# Altium PCB Control2.PcbDoc (part 1 of 2)
Units mil, origin at the board's own origin, x right, y up, seen from the top; angles counter-clockwise.
Board outline 2382.03 x 2197.03 mil, 2 copper layers (Top Layer, Bottom Layer); 85 components, 68 nets, 308 pads, 164 vias.
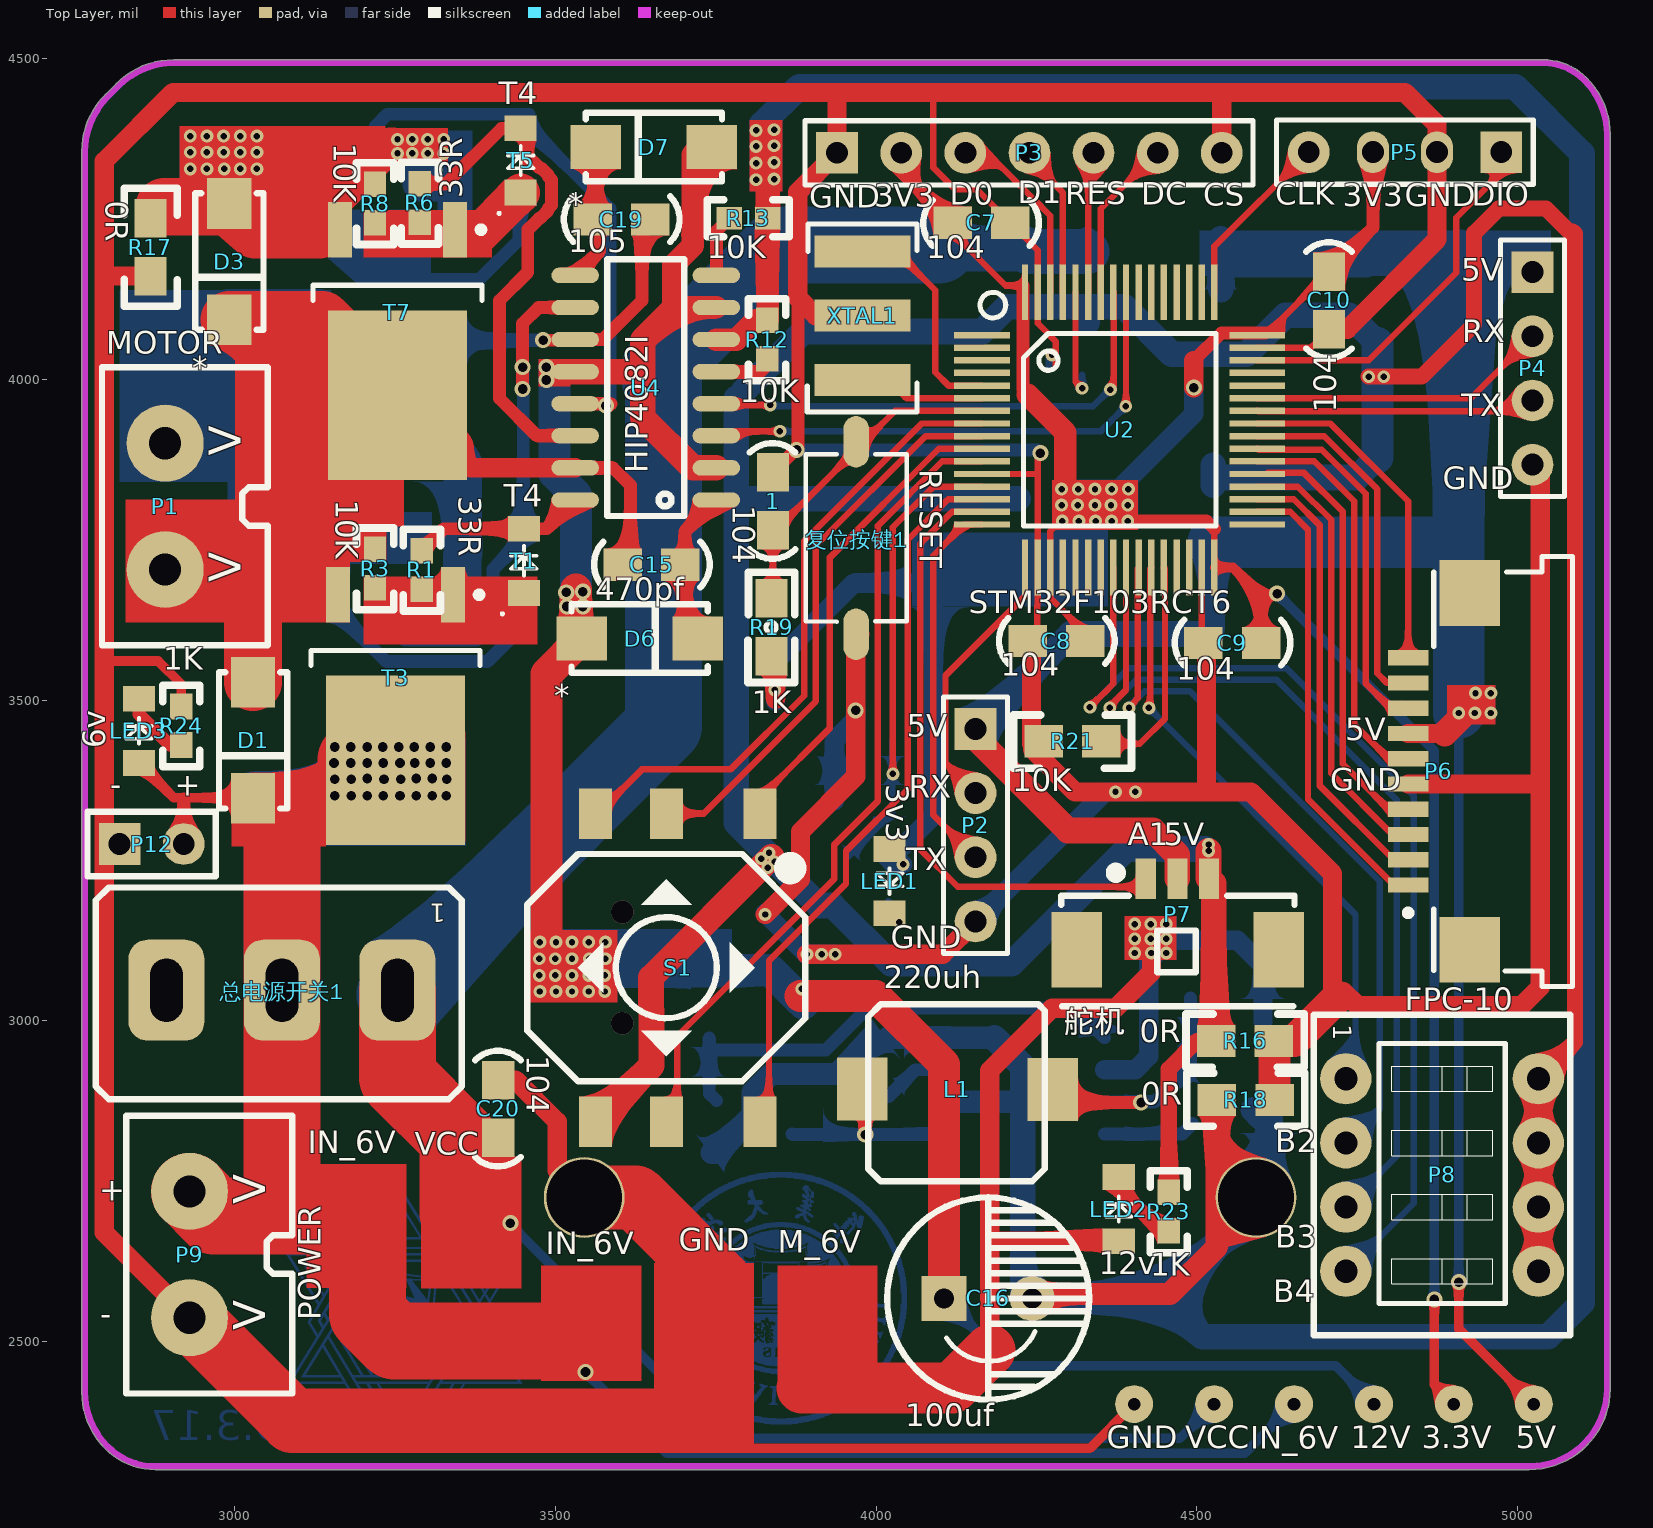
[diagram p0: Top Layer view]
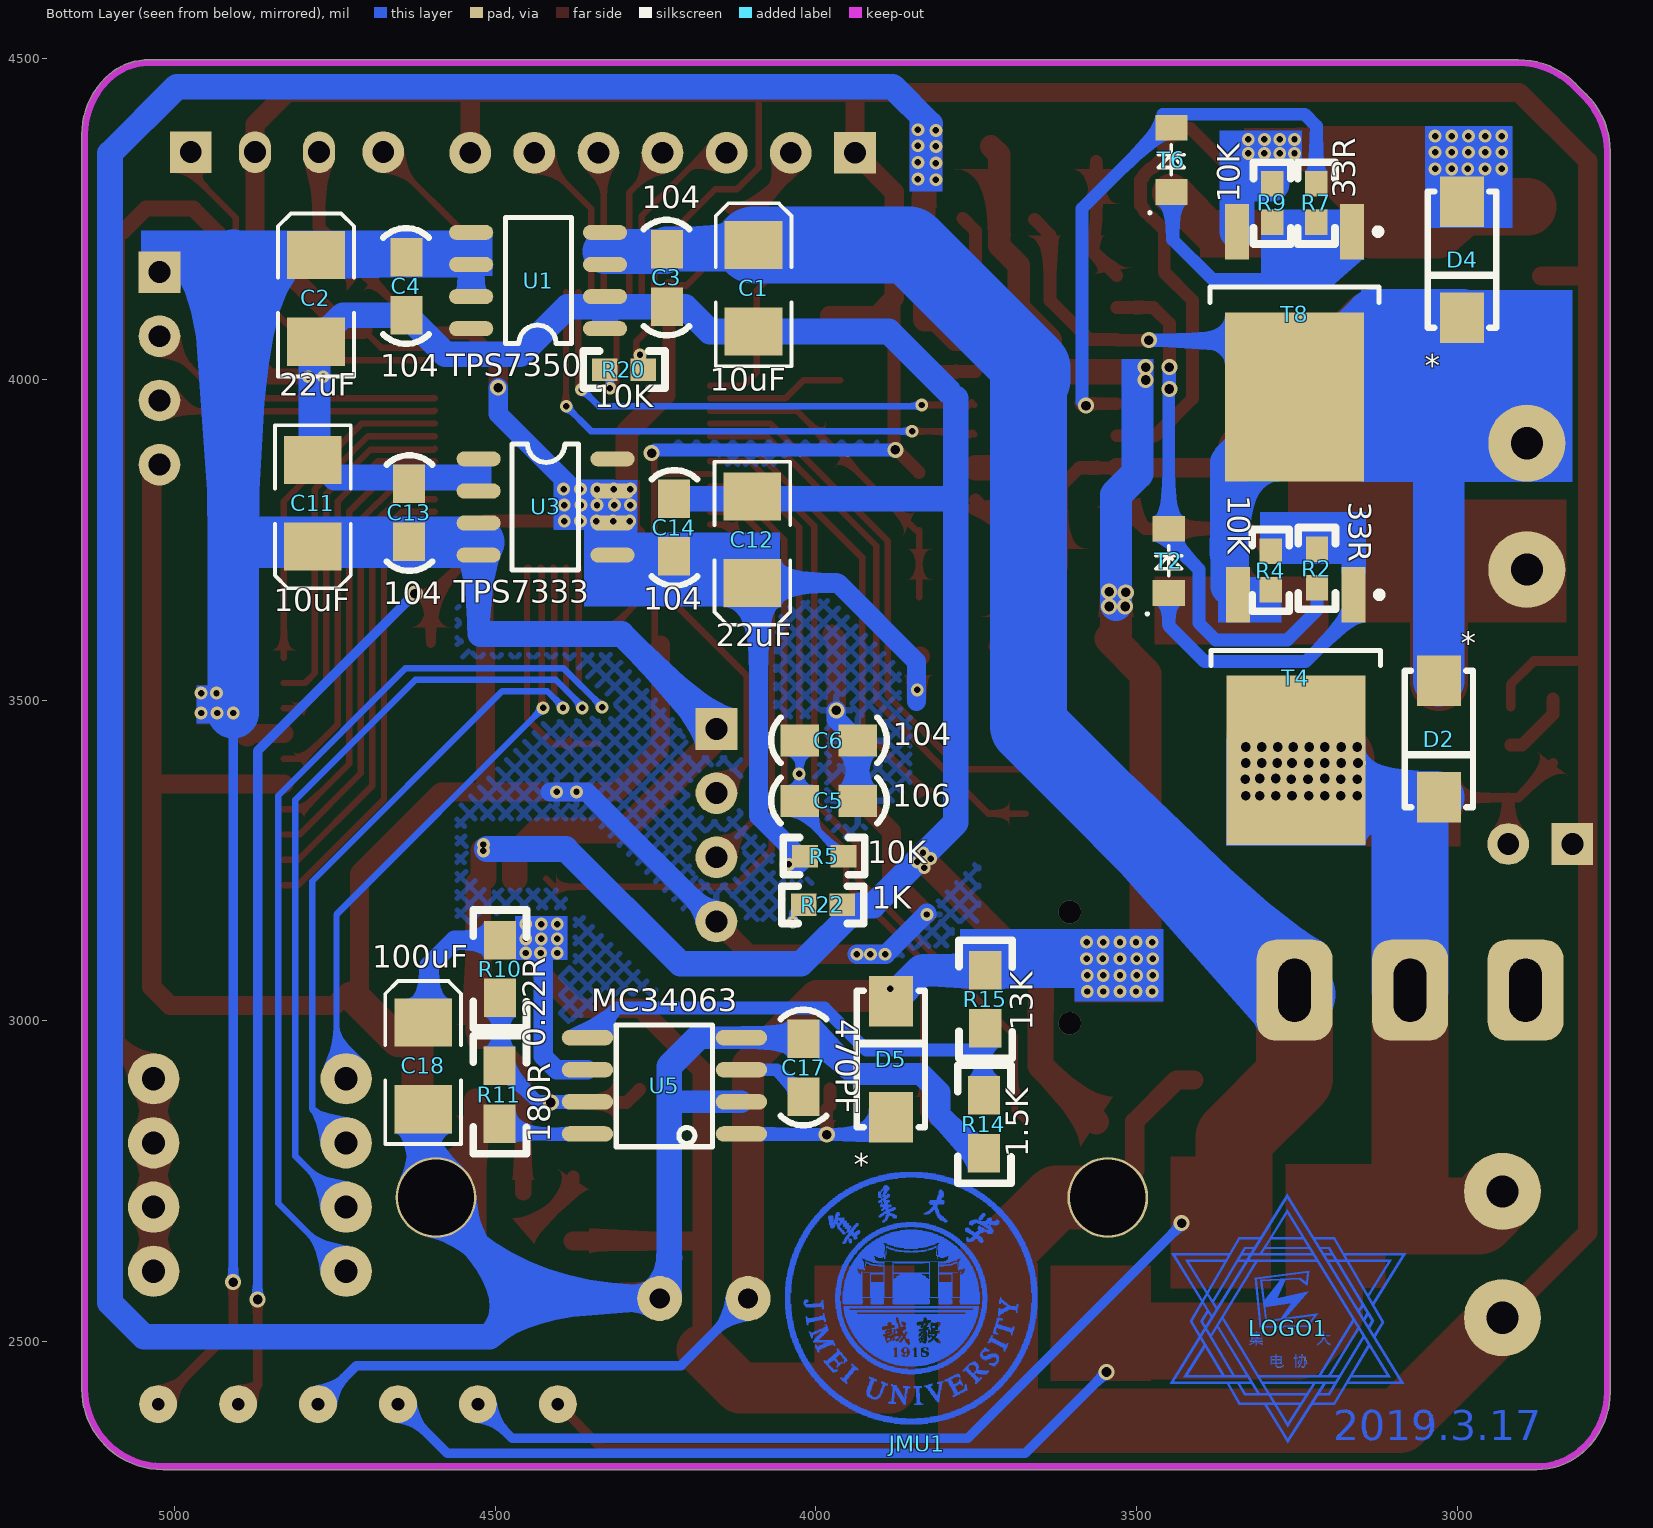
[diagram p1: Bottom Layer view, seen from below]
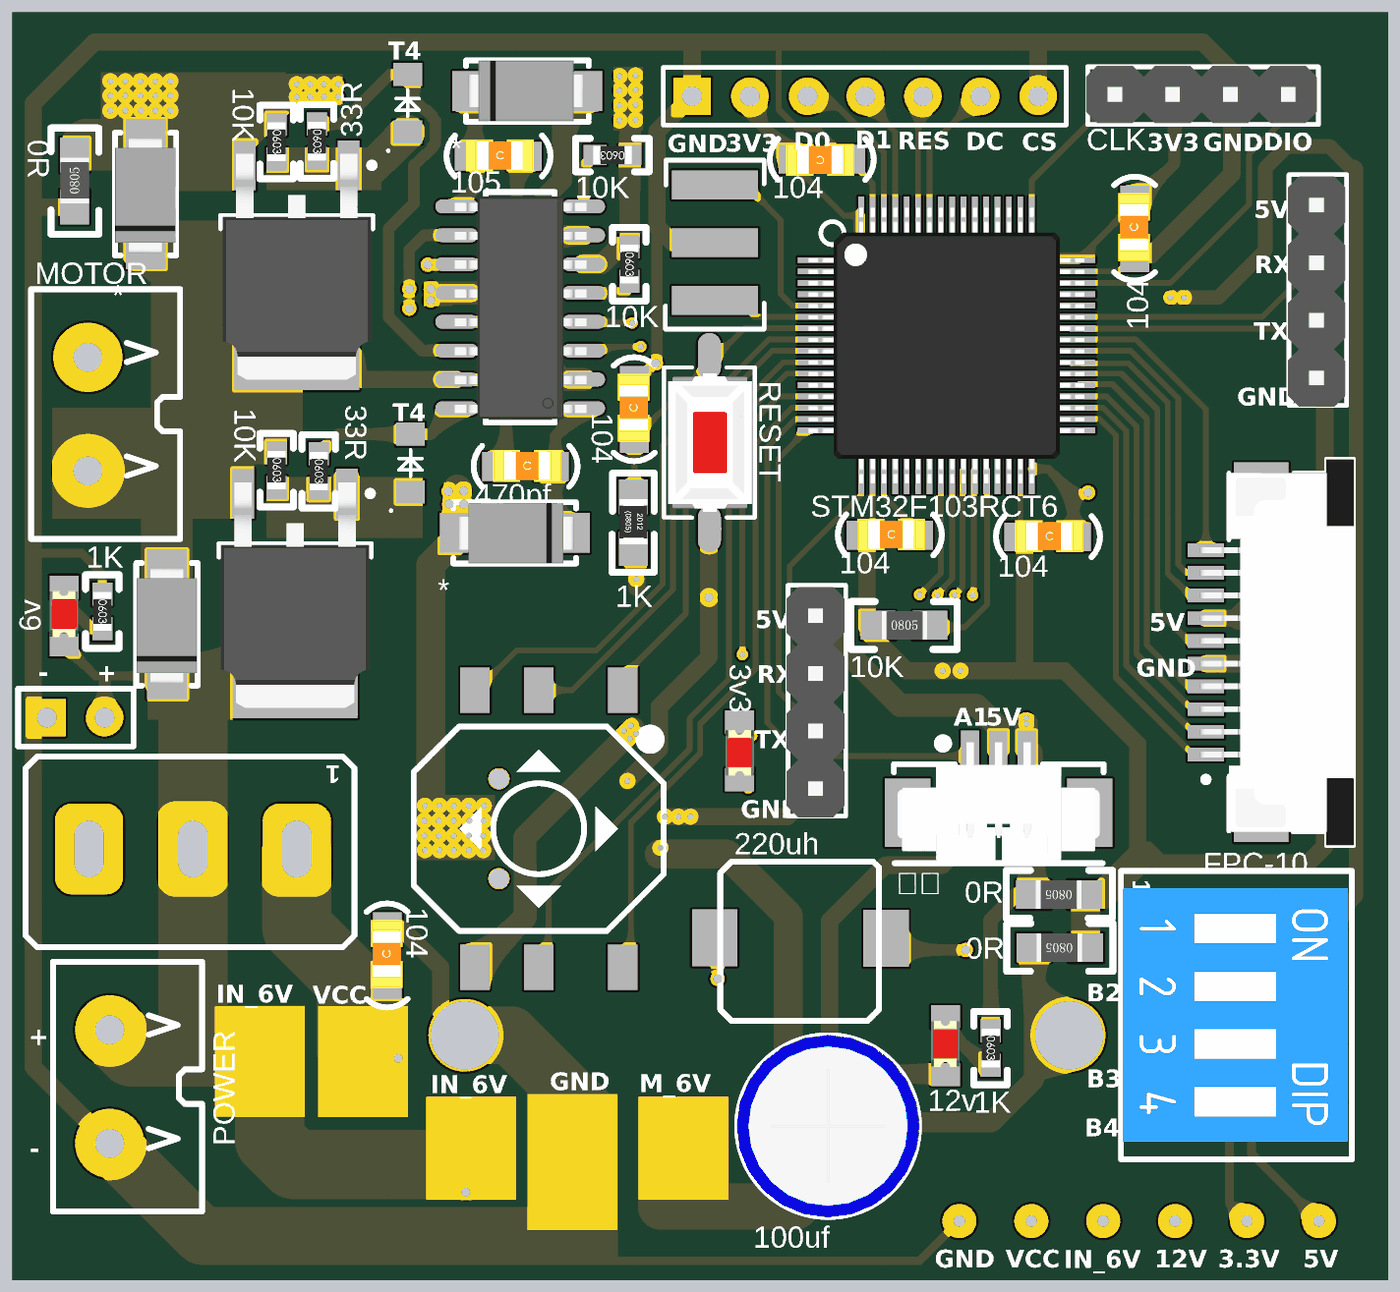
[diagram p3: 3D render of the assembled board from above, using the file's embedded part models]
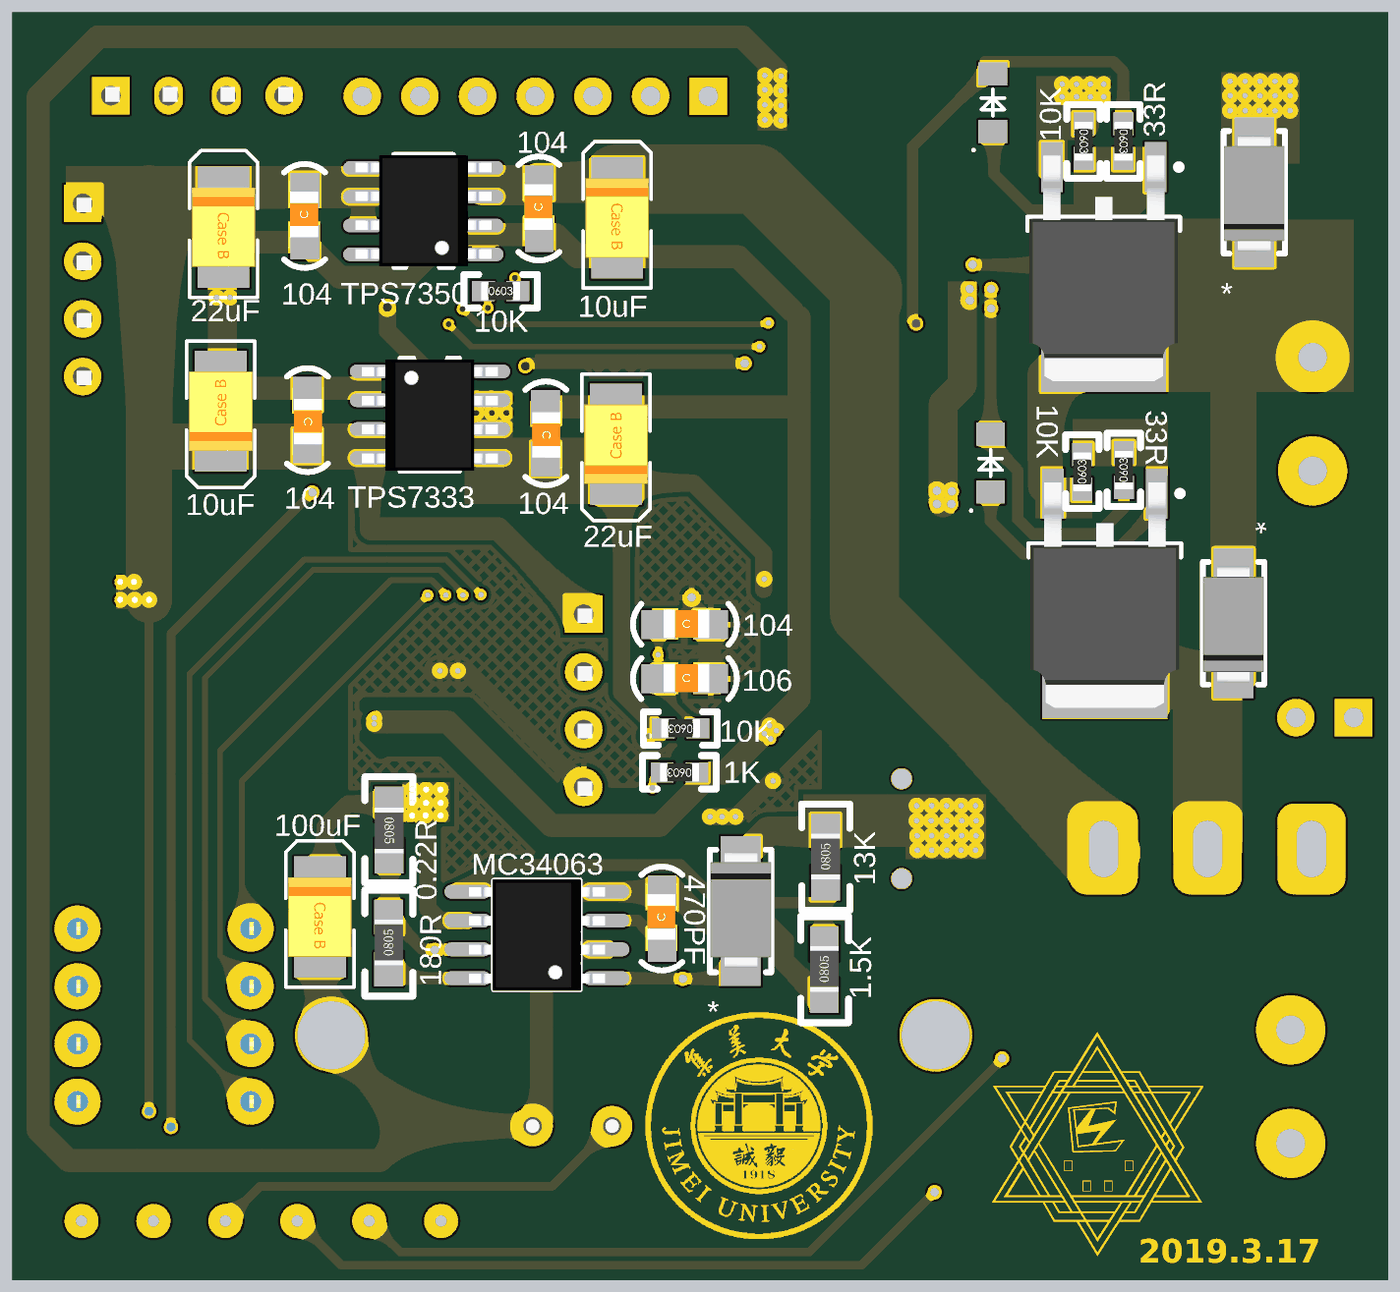
[diagram p4: 3D render of the assembled board from below, using the file's embedded part models]

## Layer stack, top to bottom
Top Solder: solder mask 0.4, Solder Resist, Dk 3.5
Top Layer: signal copper 1.4
Dielectric 1: dielectric 12.6, FR-4, Dk 4.8
Bottom Layer: signal copper 1.4
Bottom Solder: solder mask 0.4, Solder Resist, Dk 3.5

## Board outline
2798.81,2333.1 cw(c2887.71,2422) 2761.99,2422 2761.99,4355 cw(c2887.71,4355) 2798.81,4443.9 2816.1,4461.19 cw(c2905,4372.29) 2905,4498.02 5039.32,4498.02 cw(c5039.32,4402.03) 5107.19,4469.9 cw(c5018.29,4381) 5144.02,4381 5144.02,2427 cw(c5018.29,2427) 5107.19,2338.1 cw(c5103.64,2341.64) 5107.17,2338.08 5107.19,2338.1 5106.9,2337.81 ccw(c5103.36,2341.36) 5106.92,2337.83 5106.9,2337.81 cw(c5018,2426.71) 5018,2300.99 2876.34,2300.99 cw(c2876.34,2410.63)

## Design rules (kind name [scope] priority, off if disabled: settings)
Clearance [All] p1: gap=8
PolygonConnect [All] p1: connectstyle=Relief reliefconductorwidth=10 reliefentries=4 polygonreliefangle="90 Angle" airgapwidth=10
RoutingVias [All] p1: holewidth=28 width=50 viastyle="Through Hole" minholewidth=28 minwidth=50 maxholewidth=28 maxwidth=50
SolderMaskExpansion [All] p1: expansion=4
Width [All] p1: maxlimit=120 minlimit=10 preferedwidth=10 minimp=50.000000 maximp=50.000000 favimp=50.000000
30 further rules are at their usual default settings.

## Components (designator, comment, footprint, x,y, rotation, side; value= is the part's Value field where it differs from the comment)
1 "104" 0805C 3839,3770 r90 top
C1 "10uF" "pol cap(10uF)" 4167,4022 r90 bottom
C2 "22uF" "pol cap(10uF)" 4849,4006 r90 bottom
C3 "104" 0805C 4232,4118 r90 bottom
C4 "104" 0805C 4638,4105 r90 bottom
C5 "106" 0805C 4020,3343 r180 bottom
C6 "104" 0805C 4020,3437 r180 bottom
C7 "104" 0805C 4204,4244 r180 top
C8 "104" 0805C 4241,3592 r0 top
C9 "104" 0805C 4515,3589 r0 top
C10 "104" 0805C 4706,4083 r90 top
C11 "10uF" "pol cap(10uF)" 4714,3927 r270 bottom
C12 "22uF" "pol cap(10uF)" 4029,3870 r270 bottom
C13 "104" 0805C 4634,3832 r270 bottom
C14 "104" 0805C 4221,3809 r270 bottom
C15 "470pf" 0805C 3610,3711 r0 top
C16 "100uf" RB.8 4105,2567 r0 top
C17 "470PF" 0805C 4019,2887 r90 bottom
C18 "100uF" "pol cap(10uF)" 4682,2810 r90 bottom
C19 "105" 0805C 3563,4249 r0 top
C20 "104" 0805C 3411,2823 r90 top
D1 "*" 二极管 3029,3433 r270 top
D2 "*" 二极管 3029,3435 r270 bottom
D3 "*" 二极管 2992,4179 r270 top
D4 "*" 二极管 2993,4182 r270 bottom
D5 "*" 二极管 3883,2945 r90 bottom
D6 "*" 二极管 3636,3596 r0 top
D7 "*" 二极管 3649,4362 r180 top
JMU1 "JMU" JMU_logo（1） 3842,2341 r180 bottom
L1 "220uh" 电感（220uh） 4125,2888 r180 top
LED1 "3v3" LED(0805) 4021,3218 r270 top
LED2 "12v" LED(0805) 4378,2707 r90 top
LED3 "6v" LED(0805) 2851,3452 r90 top
LOGO1 "电协LOGO" 电协LOGO 3264,2521 r180 bottom
P1 "MOTOR" 接线端子 2787,3582 r90 top
P2 "UART2" "Header 4"#1 4154,3456 r0 top
P3 "OLED" "Header 7" 4240,4353 r90 top
P4 "蓝牙" "Header 4"#1 5022,4168 r0 top
P5 "CLK" "Header 4"#2 4975,4355 r270 top
P6 "FPC-10" FPC-10 4893,3389 r90 top
P7 "舵机" "MX 1.25-WS-3P" 4470,3111 r0 top
P8 "拨码" 拨码开关(4位直插) 4733,2909 r0 top
P9 "POWER" 接线端子 2825,2416 r90 top
P12 "Header 2" "Header 2" 2923,3275 r90 top
R1 "33R" 0603R 3293,3731 r270 top
R2 "33R" 0603R 3220,3677 r90 bottom
R3 "10K" 0603R 3220,3733 r270 top
R4 "10K" 0603R 3292,3674 r90 bottom
R5 "10K" 0603R 3959,3256 r0 bottom
R6 "33R" 0603R 3290,4303 r270 top
R7 "33R" 0603R 3219,4303 r270 bottom
R8 "10K" 0603R 3220,4302 r270 top
R9 "10K" 0603R 3288,4303 r270 bottom
R10 "0.22R" 0805R#1 4492,3081 r270 bottom
R11 "180R" 0805R#1 4493,2885 r90 bottom
R12 "10K" 0603R 3831,4090 r270 top
R13 "10K" 0603R 3829,4250 r180 top
R14 "1.5K" 0805R#1 3738,2839 r90 bottom
R15 "13K" 0805R#1 3736,3034 r90 bottom
R16 "0R" 0805R#1 4575,2969 r180 top
R17 "0R" 0805R#1 2869,4206 r90 top
R18 "0R" 0805R#1 4576,2877 r180 top
R19 "1K" 0805R#2 3836,3654 r270 top
R20 "10K" 0603R 4327,4016 r180 bottom
R21 "10K" 0805R#1 4306,3436 r0 top
R22 "1K" 0603R 3961,3180 r0 bottom
R23 "1K" 0603R 4457,2731 r270 top
R24 "1K" 0603R 2918,3488 r270 top
S1 "" 5轴按键 3670,3082 r270 top
T1 "T42" 0805LED(BLUE) 3449,3672 r90 top
T2 "T4" 0805LED(BLUE) 3452,3672 r90 bottom
T3 "IRLR7843" IRLR7843(MOS) 3271,3446 r270 top
T4 "IRLR7843" IRLR7843(MOS) 3232,3446 r270 bottom
T5 "T41" 0805LED(BLUE) 3444,4296 r90 top
T6 "T4" 0805LED(BLUE) 3448,4297 r90 bottom
T7 "IRLR7843" IRLR7843(MOS) 3274,4015 r270 top
T8 "IRLR7843" IRLR7843(MOS) 3234,4012 r270 bottom
U1 "TPS7350" SOIC-8 4432.81,4153.94 r0 bottom
U2 "STM32F103RCT6" LQFP-64 4367,3907 r0 top
U3 "TPS7333" SOIC-8 4421.19,3801.06 r180 bottom
U4 "HIP4082I" HIP4082I 3641,3972 r180 top
U5 "MC34063" MA34063 4241,2894 r0 bottom
XTAL1 "" 三脚贴片8M晶振 3981,3999 r180 top
复位按键1 "RESET" 贴片按键 3966,3897 r270 top
总电源开关1 "总电源开关" 钮子开关（大） 3369,3183 r180 top

## Footprints (in the part's own frame and the unit in brackets; to place one, negate y for a bottom-side part, rotate by r counter-clockwise, add the part's x,y. Pads: shape width x height; smd on the part's side, far side on the other; paste and mask are expansions set on the pad)
5轴按键 [mm]
  rect 2x1.3 smd: 1(-6.128,3.778) 2(-6.128,0.078) 3(-6.128,-2.722) 4(6.072,3.778) 5(6.072,0.078) 6(6.072,-2.722)
  silkscreen extent -4.53,-5.42 4.47,5.58
0603R [mil]
  rect 40x35 smd: 1(-2,-1) 2(58,-1)
  silkscreen extent -35,-30 92,28, body extent -5,-17 61,15, height 22
0805C [mil]
  rect 60x50 smd: 1(-5,0) 2(85,0)
  silkscreen extent -50,-35 131,36, body extent -16,-26 102,29, height 37
0805LED(BLUE) [mil]
  rect 40x50 smd: 1(-4.95,-2) 2(95.05,-2)
  silkscreen extent -39,-22 68,33, body extent 11,-20 78,16, height 35
0805R#1 [mil]
  rect 60x50 smd: 1(-45,0) 2(45,0)
  silkscreen extent -92,-42 92,41, body extent -38,-25 40,25, height 22
0805R#2 [mil]
  rect 60x50 smd: 1(-4.51,1.2) 2(85.49,1.2)
  silkscreen extent -46,-36 126,37, body extent -1,-23 78,26, height 18
FPC-10 [mm]
  rect 2.6x2.4 smd: 0(-7.061,-0.813) 0(7.061,-0.813)
  rect 0.6x1.6 smd: 1(-4.5,1.625) 2(-3.5,1.625) 3(-2.5,1.625) 4(-1.5,1.625) 5(-0.5,1.625) 6(0.5,1.625) 7(1.5,1.625) 8(2.5,1.625) 9(3.5,1.625) 10(4.5,1.625)
  silkscreen extent -8.51,-4.88 8.51,1.75, body extent -8.5,-4.89 8.5,1.91, height 2.8
"Header 2" [mil]
  rect 65x65 hole 34: 1(0.81,102.01)
  round 65 hole 34: 2(0.81,2.01)
  silkscreen extent -49,-48 51,152, body extent -50,-50 50,150, height 336
"Header 4"#1 [mil]
  rect 65x65 hole 34: 1(0.95,-0.93)
  round 65 hole 34: 2(0.95,-100.93) 3(0.95,-200.93) 4(0.95,-300.93)
  silkscreen extent -49,-351 51,49, body extent -51,-354 49,46, height 336
"Header 4"#2 [mil]
  rect 65x65 hole 34: 1(0.95,-0.93)
  oval 65x50 hole 34: 2(0.95,-100.93) 3(0.95,-200.93)
  round 65 hole 34: 4(0.95,-300.93)
  silkscreen extent -49,-351 51,49, body extent -51,-354 49,46, height 336
"Header 7" [mil]
  rect 65x65 hole 34: 1(0,301)
  round 65 hole 34: 2(0,201) 3(0,101) 4(0,1) 5(0,-98.8) 6(0,-198.8)
  round 65 hole 34 paste+0: 7(0,-298.61)
  silkscreen extent -50,-347 50,351, body extent -50,-349 50,351, height 336
HIP4082I [mil]
  oval 74x24 smd: 1(-110,160) 2(-110,110) 3(-110,60) 4(-110,10) 5(-110,-40) 6(-110,-90) 7(-110,-140) 8(-110,-190) 9(110,-190) 10(110,-140) 11(110,-90) 12(110,-40) 13(110,10) 14(110,60) 15(110,110) 16(110,160)
  silkscreen extent -60,-215 60,185, body extent -115,-207 113,179, height 69
IRLR7843(MOS) [mm]
  rect 2.2x0.95 smd: 1(-5.543,1.772) 3(-5.543,-2.788)
  rect 6.7x5.5 smd: 2(1.007,-0.508)
  silkscreen extent -5.67,-3.86 -2.74,2.92, body extent -6.04,-3.78 3.9,2.76, height 2.39
JMU_logo（1） [mil]
  Top Layer region: 917 vertices and 1 holes, not listed, extent -205.79,30.64 187.21,423.64
  Top Layer region: 557 vertices and 1 holes, not listed, extent -127.79,108.64 109.21,345.64
  Top Layer region: 309 vertices and 19 holes, not listed, extent -115.79,217.64 97.21,333.64
  Top Layer region: 261 vertices and 22 holes, not listed, extent -114.79,120.64 96.21,214.64
  Top Layer region: 251 vertices and 0 holes, not listed, extent 75.21,313.64 128.21,352.64
  Top Layer region: 219 vertices and 1 holes, not listed, extent -138.79,311.64 -91.79,360.64
  Top Layer region: 241 vertices and 4 holes, not listed, extent -60.79,345.64 -33.79,402.64
  Top Layer region: 155 vertices and 0 holes, not listed, extent 10.21,345.64 47.21,395.64
  Top Layer region: 195 vertices and 0 holes, not listed, extent -168.79,142.64 -127.79,185.64
  Top Layer region: 139 vertices and 1 holes, not listed, extent 71.21,93.64 111.21,127.64
  Top Layer region: -37.79,91.64 -32.79,91.64 -32.79,90.64 -31.79,90.64 -31.79,88.64 -30.79,88.64 -30.79,86.64 -29.79,86.64 -29.79,85.64 -28.79,85.64 -28.79,83.64 -27.79,83.64 -27.79,82.64 -26.79,82.64 -26.79,80.64 -25.79,80.64 -25.79,78.64 -24.79,78.64 -24.79,77.64 -23.79,77.64 -23.79,75.64 -22.79,75.64 -22.79,73.64 -21.79,73.64 -21.79,72.64 -20.79,72.64 -20.79,70.64 -19.79,70.64 -19.79,78.64 -18.79,78.64 -18.79,87.64 -21.79,87.64 -21.79,89.64 -14.79,89.64 -14.79,88.64 -10.79,88.64 -10.79,87.64 -11.79,87.64 -11.79,86.64 -14.79,86.64 -14.79,84.64 -15.79,84.64 -15.79,78.64 -16.79,78.64 -16.79,70.64 -17.79,70.64 -17.79,62.64 -18.79,62.64 -18.79,60.64 -20.79,60.64 -20.79,62.64 -21.79,62.64 -21.79,63.64 -22.79,63.64 -22.79,65.64 -23.79,65.64 -23.79,66.64 -24.79,66.64 -24.79,68.64 -25.79,68.64 -25.79,70.64 -26.79,70.64 -26.79,71.64 -27.79,71.64 -27.79,73.64 -28.79,73.64 -28.79,74.64 -29.79,74.64 -29.79,76.64 -30.79,76.64 -30.79,78.64 -31.79,78.64 -31.79,80.64 -32.79,80.64 -32.79,81.64 -33.79,81.64 -33.79,83.64 -34.79,83.64 -34.79,79.64 -35.79,79.64 -35.79,71.64 -36.79,71.64 -36.79,64.64 -33.79,64.64 -33.79,62.64 -41.79,62.64 -41.79,63.64 -44.79,63.64 -44.79,64.64 -43.79,64.64 -43.79,65.64 -40.79,65.64 -40.79,66.64 -39.79,66.64 -39.79,71.64 -38.79,71.64 -38.79,79.64 -37.79,79.64 -37.79,86.64 -36.79,86.64 -36.79,87.64 -37.79,87.64 -37.79,89.64 -39.79,89.64 -39.79,90.64 -40.79,90.64 -40.79,92.64 -37.79,92.64
  Top Layer region: 177 vertices and 0 holes, not listed, extent 43.21,73.64 78.21,109.64
  Top Layer region: 215 vertices and 0 holes, not listed, extent -145.79,111.64 -108.79,148.64
  Top Layer region: -73.79,103.64 -71.79,103.64 -71.79,102.64 -68.79,102.64 -68.79,101.64 -66.79,101.64 -66.79,100.64 -63.79,100.64 -63.79,99.64 -62.79,99.64 -62.79,97.64 -64.79,97.64 -64.79,98.64 -66.79,98.64 -66.79,97.64 -67.79,97.64 -67.79,95.64 -68.79,95.64 -68.79,92.64 -69.79,92.64 -69.79,89.64 -70.79,89.64 -70.79,87.64 -71.79,87.64 -71.79,84.64 -72.79,84.64 -72.79,81.64 -73.79,81.64 -73.79,76.64 -72.79,76.64 -72.79,75.64 -71.79,75.64 -71.79,74.64 -70.79,74.64 -70.79,73.64 -68.79,73.64 -68.79,72.64 -62.79,72.64 -62.79,73.64 -61.79,73.64 -61.79,74.64 -60.79,74.64 -60.79,75.64 -59.79,75.64 -59.79,76.64 -58.79,76.64 -58.79,78.64 -57.79,78.64 -57.79,81.64 -56.79,81.64 -56.79,84.64 -55.79,84.64 -55.79,86.64 -54.79,86.64 -54.79,89.64 -53.79,89.64 -53.79,93.64 -54.79,93.64 -54.79,94.64 -55.79,94.64 -55.79,96.64 -53.79,96.64 -53.79,95.64 -50.79,95.64 -50.79,94.64 -48.79,94.64 -48.79,93.64 -45.79,93.64 -45.79,91.64 -49.79,91.64 -49.79,90.64 -50.79,90.64 -50.79,88.64 -51.79,88.64 -51.79,86.64 -52.79,86.64 -52.79,83.64 -53.79,83.64 -53.79,80.64 -54.79,80.64 -54.79,78.64 -55.79,78.64 -55.79,76.64 -56.79,76.64 -56.79,74.64 -57.79,74.64 -57.79,72.64 -59.79,72.64 -59.79,71.64 -60.79,71.64 -60.79,70.64 -62.79,70.64 -62.79,69.64 -68.79,69.64 -68.79,70.64 -71.79,70.64 -71.79,71.64 -73.79,71.64 -73.79,72.64 -75.79,72.64 -75.79,73.64 -76.79,73.64 -76.79,74.64 -77.79,74.64 -77.79,76.64 -78.79,76.64 -78.79,83.64 -77.79,83.64 -77.79,86.64 -76.79,86.64 -76.79,89.64 -75.79,89.64 -75.79,91.64 -74.79,91.64 -74.79,94.64 -73.79,94.64 -73.79,97.64 -72.79,97.64 -72.79,101.64 -74.79,101.64 -74.79,104.64 -73.79,104.64
  Top Layer region: 130.21,227.64 131.21,227.64 131.21,224.64 132.21,224.64 132.21,223.64 134.21,223.64 134.21,222.64 135.21,222.64 135.21,221.64 136.21,221.64 136.21,220.64 137.21,220.64 137.21,219.64 139.21,219.64 139.21,218.64 140.21,218.64 140.21,217.64 141.21,217.64 141.21,216.64 142.21,216.64 142.21,215.64 144.21,215.64 144.21,214.64 152.21,214.64 152.21,213.64 154.21,213.64 154.21,214.64 155.21,214.64 155.21,217.64 157.21,217.64 157.21,212.64 156.21,212.64 156.21,204.64 154.21,204.64 154.21,207.64 153.21,207.64 153.21,208.64 148.21,208.64 148.21,209.64 143.21,209.64 143.21,208.64 141.21,208.64 141.21,207.64 139.21,207.64 139.21,206.64 137.21,206.64 137.21,205.64 135.21,205.64 135.21,204.64 134.21,204.64 134.21,203.64 132.21,203.64 132.21,202.64 130.21,202.64 130.21,201.64 129.21,201.64 129.21,200.64 128.21,200.64 128.21,198.64 126.21,198.64 126.21,206.64 127.21,206.64 127.21,211.64 129.21,211.64 129.21,208.64 131.21,208.64 131.21,209.64 133.21,209.64 133.21,210.64 135.21,210.64 135.21,211.64 137.21,211.64 137.21,212.64 139.21,212.64 139.21,213.64 140.21,213.64 140.21,214.64 139.21,214.64 139.21,215.64 138.21,215.64 138.21,216.64 136.21,216.64 136.21,217.64 135.21,217.64 135.21,218.64 134.21,218.64 134.21,219.64 132.21,219.64 132.21,220.64 130.21,220.64 130.21,218.64 128.21,218.64 128.21,224.64 129.21,224.64 129.21,228.64 130.21,228.64
  Top Layer region: 106.21,148.64 108.21,148.64 108.21,147.64 110.21,147.64 110.21,146.64 112.21,146.64 112.21,144.64 104.21,144.64 104.21,143.64 103.21,143.64 103.21,142.64 102.21,142.64 102.21,141.64 101.21,141.64 101.21,138.64 102.21,138.64 102.21,137.64 103.21,137.64 103.21,136.64 108.21,136.64 108.21,137.64 110.21,137.64 110.21,138.64 112.21,138.64 112.21,139.64 115.21,139.64 115.21,140.64 123.21,140.64 123.21,139.64 124.21,139.64 124.21,138.64 125.21,138.64 125.21,137.64 126.21,137.64 126.21,136.64 127.21,136.64 127.21,128.64 126.21,128.64 126.21,127.64 125.21,127.64 125.21,125.64 124.21,125.64 124.21,124.64 123.21,124.64 123.21,123.64 121.21,123.64 121.21,120.64 119.21,120.64 119.21,121.64 117.21,121.64 117.21,122.64 115.21,122.64 115.21,123.64 112.21,123.64 112.21,125.64 120.21,125.64 120.21,126.64 122.21,126.64 122.21,127.64 123.21,127.64 123.21,128.64 124.21,128.64 124.21,132.64 123.21,132.64 123.21,134.64 120.21,134.64 120.21,135.64 118.21,135.64 118.21,134.64 115.21,134.64 115.21,133.64 113.21,133.64 113.21,132.64 111.21,132.64 111.21,131.64 107.21,131.64 107.21,130.64 105.21,130.64 105.21,131.64 102.21,131.64 102.21,132.64 101.21,132.64 101.21,133.64 100.21,133.64 100.21,134.64 99.21,134.64 99.21,136.64 98.21,136.64 98.21,140.64 99.21,140.64 99.21,142.64 100.21,142.64 100.21,144.64 101.21,144.64 101.21,145.64 102.21,145.64 102.21,146.64 104.21,146.64 104.21,149.64 106.21,149.64
  Top Layer region: 40.21,95.64 39.21,95.64 39.21,94.64 38.21,94.64 38.21,90.64 37.21,90.64 37.21,84.64 36.21,84.64 36.21,78.64 35.21,78.64 35.21,73.64 34.21,73.64 34.21,72.64 35.21,72.64 35.21,71.64 34.21,71.64 34.21,66.64 33.21,66.64 33.21,64.64 32.21,64.64 32.21,65.64 31.21,65.64 31.21,66.64 30.21,66.64 30.21,67.64 29.21,67.64 29.21,68.64 28.21,68.64 28.21,70.64 27.21,70.64 27.21,71.64 26.21,71.64 26.21,72.64 25.21,72.64 25.21,74.64 24.21,74.64 24.21,75.64 23.21,75.64 23.21,76.64 22.21,76.64 22.21,78.64 21.21,78.64 21.21,79.64 20.21,79.64 20.21,81.64 19.21,81.64 19.21,82.64 18.21,82.64 18.21,83.64 17.21,83.64 17.21,85.64 16.21,85.64 16.21,86.64 15.21,86.64 15.21,87.64 14.21,87.64 14.21,88.64 11.21,88.64 11.21,90.64 14.21,90.64 14.21,91.64 18.21,91.64 18.21,92.64 22.21,92.64 22.21,93.64 23.21,93.64 23.21,90.64 20.21,90.64 20.21,89.64 21.21,89.64 21.21,87.64 22.21,87.64 22.21,85.64 23.21,85.64 23.21,84.64 24.21,84.64 24.21,83.64 25.21,83.64 25.21,81.64 26.21,81.64 26.21,80.64 27.21,80.64 27.21,79.64 28.21,79.64 28.21,77.64 29.21,77.64 29.21,76.64 30.21,76.64 30.21,75.64 31.21,75.64 31.21,74.64 32.21,74.64 32.21,79.64 33.21,79.64 33.21,84.64 34.21,84.64 34.21,91.64 35.21,91.64 35.21,93.64 31.21,93.64 31.21,95.64 34.21,95.64 34.21,96.64 39.21,96.64 39.21,97.64 40.21,97.64
  Top Layer region: 128.21,195.64 131.21,195.64 131.21,194.64 133.21,194.64 133.21,192.64 127.21,192.64 127.21,190.64 126.21,190.64 126.21,188.64 125.21,188.64 125.21,186.64 126.21,186.64 126.21,185.64 129.21,185.64 129.21,184.64 132.21,184.64 132.21,183.64 136.21,183.64 136.21,182.64 139.21,182.64 139.21,181.64 142.21,181.64 142.21,180.64 145.21,180.64 145.21,179.64 148.21,179.64 148.21,180.64 149.21,180.64 149.21,182.64 151.21,182.64 151.21,179.64 150.21,179.64 150.21,176.64 149.21,176.64 149.21,172.64 148.21,172.64 148.21,169.64 146.21,169.64 146.21,173.64 145.21,173.64 145.21,174.64 143.21,174.64 143.21,175.64 140.21,175.64 140.21,176.64 137.21,176.64 137.21,177.64 134.21,177.64 134.21,178.64 130.21,178.64 130.21,179.64 127.21,179.64 127.21,180.64 124.21,180.64 124.21,181.64 123.21,181.64 123.21,178.64 122.21,178.64 122.21,174.64 123.21,174.64 123.21,172.64 125.21,172.64 125.21,171.64 126.21,171.64 126.21,170.64 122.21,170.64 122.21,171.64 119.21,171.64 119.21,172.64 118.21,172.64 118.21,174.64 119.21,174.64 119.21,178.64 120.21,178.64 120.21,181.64 121.21,181.64 121.21,184.64 122.21,184.64 122.21,187.64 123.21,187.64 123.21,190.64 124.21,190.64 124.21,194.64 125.21,194.64 125.21,196.64 128.21,196.64
  Top Layer region: -170.79,223.64 -169.79,223.64 -169.79,221.64 -170.79,221.64 -170.79,220.64 -171.79,220.64 -171.79,219.64 -173.79,219.64 -173.79,217.64 -162.79,217.64 -162.79,218.64 -150.79,218.64 -150.79,219.64 -148.79,219.64 -148.79,223.64 -146.79,223.64 -146.79,216.64 -145.79,216.64 -145.79,210.64 -146.79,210.64 -146.79,209.64 -147.79,209.64 -147.79,212.64 -148.79,212.64 -148.79,213.64 -158.79,213.64 -158.79,212.64 -172.79,212.64 -172.79,213.64 -173.79,213.64 -173.79,214.64 -174.79,214.64 -174.79,215.64 -175.79,215.64 -175.79,217.64 -176.79,217.64 -176.79,221.64 -175.79,221.64 -175.79,223.64 -174.79,223.64 -174.79,224.64 -170.79,224.64
  Top Layer region: 117.21,168.64 118.21,168.64 118.21,167.64 117.21,167.64 117.21,164.64 118.21,164.64 118.21,163.64 120.21,163.64 120.21,162.64 122.21,162.64 122.21,161.64 124.21,161.64 124.21,160.64 126.21,160.64 126.21,159.64 128.21,159.64 128.21,158.64 130.21,158.64 130.21,157.64 132.21,157.64 132.21,156.64 134.21,156.64 134.21,155.64 136.21,155.64 136.21,154.64 139.21,154.64 139.21,155.64 140.21,155.64 140.21,156.64 142.21,156.64 142.21,155.64 141.21,155.64 141.21,153.64 140.21,153.64 140.21,150.64 139.21,150.64 139.21,148.64 138.21,148.64 138.21,146.64 137.21,146.64 137.21,144.64 135.21,144.64 135.21,149.64 134.21,149.64 134.21,150.64 132.21,150.64 132.21,151.64 129.21,151.64 129.21,152.64 128.21,152.64 128.21,153.64 126.21,153.64 126.21,154.64 124.21,154.64 124.21,155.64 122.21,155.64 122.21,156.64 120.21,156.64 120.21,157.64 118.21,157.64 118.21,158.64 116.21,158.64 116.21,159.64 114.21,159.64 114.21,158.64 113.21,158.64 113.21,157.64 112.21,157.64 112.21,156.64 111.21,156.64 111.21,157.64 110.21,157.64 110.21,158.64 111.21,158.64 111.21,160.64 112.21,160.64 112.21,162.64 113.21,162.64 113.21,164.64 114.21,164.64 114.21,166.64 115.21,166.64 115.21,168.64 116.21,168.64 116.21,169.64 117.21,169.64
  Top Layer region: -144.79,199.64 -143.79,199.64 -143.79,194.64 -142.79,194.64 -142.79,190.64 -144.79,190.64 -144.79,192.64 -145.79,192.64 -145.79,193.64 -150.79,193.64 -150.79,192.64 -155.79,192.64 -155.79,191.64 -160.79,191.64 -160.79,190.64 -165.79,190.64 -165.79,189.64 -168.79,189.64 -168.79,188.64 -169.79,188.64 -169.79,184.64 -170.79,184.64 -170.79,185.64 -171.79,185.64 -171.79,190.64 -172.79,190.64 -172.79,195.64 -173.79,195.64 -173.79,197.64 -172.79,197.64 -172.79,198.64 -171.79,198.64 -171.79,196.64 -170.79,196.64 -170.79,195.64 -169.79,195.64 -169.79,194.64 -168.79,194.64 -168.79,195.64 -162.79,195.64 -162.79,196.64 -158.79,196.64 -158.79,197.64 -152.79,197.64 -152.79,198.64 -148.79,198.64 -148.79,199.64 -146.79,199.64 -146.79,203.64 -144.79,203.64
  Top Layer region: -100.79,123.64 -99.79,123.64 -99.79,122.64 -98.79,122.64 -98.79,121.64 -97.79,121.64 -97.79,120.64 -96.79,120.64 -96.79,119.64 -94.79,119.64 -94.79,118.64 -93.79,118.64 -93.79,117.64 -92.79,117.64 -92.79,116.64 -91.79,116.64 -91.79,114.64 -93.79,114.64 -93.79,115.64 -96.79,115.64 -96.79,114.64 -97.79,114.64 -97.79,113.64 -98.79,113.64 -98.79,112.64 -99.79,112.64 -99.79,111.64 -100.79,111.64 -100.79,109.64 -101.79,109.64 -101.79,108.64 -102.79,108.64 -102.79,107.64 -103.79,107.64 -103.79,106.64 -104.79,106.64 -104.79,105.64 -105.79,105.64 -105.79,103.64 -106.79,103.64 -106.79,102.64 -107.79,102.64 -107.79,101.64 -108.79,101.64 -108.79,100.64 -109.79,100.64 -109.79,98.64 -110.79,98.64 -110.79,96.64 -109.79,96.64 -109.79,95.64 -108.79,95.64 -108.79,94.64 -109.79,94.64 -109.79,93.64 -110.79,93.64 -110.79,94.64 -111.79,94.64 -111.79,95.64 -112.79,95.64 -112.79,96.64 -113.79,96.64 -113.79,97.64 -115.79,97.64 -115.79,98.64 -116.79,98.64 -116.79,99.64 -117.79,99.64 -117.79,100.64 -118.79,100.64 -118.79,101.64 -119.79,101.64 -119.79,102.64 -116.79,102.64 -116.79,101.64 -114.79,101.64 -114.79,102.64 -113.79,102.64 -113.79,103.64 -112.79,103.64 -112.79,104.64 -111.79,104.64 -111.79,106.64 -110.79,106.64 -110.79,107.64 -109.79,107.64 -109.79,108.64 -108.79,108.64 -108.79,109.64 -107.79,109.64 -107.79,111.64 -106.79,111.64 -106.79,112.64 -105.79,112.64 -105.79,113.64 -104.79,113.64 -104.79,114.64 -103.79,114.64 -103.79,115.64 -102.79,115.64 -102.79,117.64 -101.79,117.64 -101.79,118.64 -100.79,118.64 -100.79,121.64 -101.79,121.64 -101.79,122.64 -102.79,122.64 -102.79,123.64 -101.79,123.64 -101.79,124.64 -100.79,124.64
  Top Layer region: 7.21,87.64 4.21,87.64 4.21,86.64 3.21,86.64 3.21,78.64 4.21,78.64 4.21,64.64 5.21,64.64 5.21,62.64 9.21,62.64 9.21,61.64 8.21,61.64 8.21,60.64 -4.79,60.64 -4.79,61.64 -3.79,61.64 -3.79,62.64 -0.79,62.64 -0.79,72.64 -1.79,72.64 -1.79,86.64 -3.79,86.64 -3.79,87.64 -5.79,87.64 -5.79,89.64 7.21,89.64
  Top Layer region: 105.21,357.64 106.21,357.64 106.21,355.64 105.21,355.64 105.21,354.64 104.21,354.64 104.21,353.64 103.21,353.64 103.21,351.64 102.21,351.64 102.21,350.64 101.21,350.64 101.21,349.64 99.21,349.64 99.21,348.64 97.21,348.64 97.21,349.64 96.21,349.64 96.21,352.64 97.21,352.64 97.21,354.64 98.21,354.64 98.21,355.64 99.21,355.64 99.21,356.64 100.21,356.64 100.21,357.64 101.21,357.64 101.21,359.64 105.21,359.64
  Top Layer region: -40.79,358.64 -37.79,358.64 -37.79,357.64 -34.79,357.64 -34.79,356.64 -32.79,356.64 -32.79,355.64 -31.79,355.64 -31.79,352.64 -32.79,352.64 -32.79,351.64 -36.79,351.64 -36.79,352.64 -37.79,352.64 -37.79,354.64 -39.79,354.64 -39.79,355.64 -41.79,355.64 -41.79,356.64 -42.79,356.64 -42.79,358.64 -41.79,358.64 -41.79,359.64 -40.79,359.64
  Top Layer region: -89.79,330.64 -88.79,330.64 -88.79,329.64 -89.79,329.64 -89.79,327.64 -90.79,327.64 -90.79,326.64 -92.79,326.64 -92.79,325.64 -93.79,325.64 -93.79,324.64 -95.79,324.64 -95.79,325.64 -94.79,325.64 -94.79,327.64 -95.79,327.64 -95.79,326.64 -97.79,326.64 -97.79,328.64 -96.79,328.64 -96.79,329.64 -95.79,329.64 -95.79,330.64 -94.79,330.64 -94.79,331.64 -92.79,331.64 -92.79,332.64 -89.79,332.64
  Top Layer region: -103.79,318.64 -101.79,318.64 -101.79,313.64 -102.79,313.64 -102.79,312.64 -104.79,312.64 -104.79,313.64 -105.79,313.64 -105.79,314.64 -106.79,314.64 -106.79,319.64 -103.79,319.64
  Top Layer region: -29.79,165.64 -30.79,165.64 -30.79,164.64 -31.79,164.64 -31.79,163.64 -33.79,163.64 -33.79,164.64 -34.79,164.64 -34.79,166.64 -31.79,166.64 -31.79,167.64 -29.79,167.64
  Top Layer region: -32.79,175.64 -31.79,175.64 -31.79,174.64 -30.79,174.64 -30.79,173.64 -31.79,173.64 -31.79,172.64 -32.79,172.64 -32.79,171.64 -33.79,171.64 -33.79,176.64 -32.79,176.64
  Top Layer region: -42.79,162.64 -43.79,162.64 -43.79,161.64 -46.79,161.64 -46.79,163.64 -44.79,163.64 -44.79,164.64 -42.79,164.64
  Top Layer region: 27.21,181.64 26.21,181.64 26.21,180.64 24.21,180.64 24.21,183.64 27.21,183.64
  Top Layer region: 8.21,175.64 7.21,175.64 7.21,176.64 8.21,176.64
LED(0805) [mil]
  rect 40x50 smd: 1(-50,0) 2(50,0)
  silkscreen extent -20,-20 20,20, body extent -37,-24 43,25, height 43
LQFP-64 [mil]
  rect 86.61x10 smd: 1(-202,162) 2(-202,142.31) 3(-202,122.63) 4(-202,102.94) 5(-202,83.26) 6(-202,63.58) 7(-202,43.89) 8(-202,24.21) 9(-202,4.52) 10(-202,-15.17) 11(-202,-34.85) 12(-202,-54.54) 13(-202,-74.22) 14(-202,-93.91) 15(-202,-113.59) 16(-202,-133.27) 33(227.13,-133.27) 34(227.13,-113.59) 35(227.13,-93.9) 36(227.13,-74.22) 37(227.13,-54.54) 38(227.13,-34.85) 39(227.13,-15.17) 40(227.13,4.52) 41(227.13,24.21) 42(227.13,43.89) 43(227.13,63.58) 44(227.13,83.26) 45(227.13,102.95) 46(227.13,122.63) 47(227.13,142.31) 48(227.13,162)
  rect 10x86.61 smd: 17(-135.07,-200.2) 18(-115.39,-200.2) 19(-95.7,-200.21) 20(-76.02,-200.2) 21(-56.33,-200.2) 22(-36.65,-200.2) 23(-16.96,-200.21) 24(2.72,-200.2) 25(22.41,-200.2) 26(42.09,-200.21) 27(61.78,-200.2) 28(81.46,-200.2) 29(101.15,-200.21) 30(120.83,-200.2) 31(140.52,-200.2) 32(160.2,-200.2) 49(160.2,228.93) 50(140.52,228.93) 51(120.83,228.93) 52(101.15,228.93) 53(81.46,228.93) 54(61.78,228.93) 55(42.09,228.93) 56(22.41,228.93) 57(2.72,228.93) 58(-16.96,228.93) 59(-36.65,228.93) 60(-56.33,228.93) 61(-76.02,228.93) 62(-95.7,228.93) 63(-115.39,228.93) 64(-135.07,228.93)
  silkscreen extent -205,-136 163,229, body extent -226,-225 252,253, height 64
MA34063 [mil] "12V升压"
  oval 80x24 smd: 1(-125,70) 2(-125,20) 3(-125,-30) 4(-125,-80) 5(115,-80) 6(115,-30) 7(115,20) 8(115,70)
  silkscreen extent -80,-100 70,90, body extent -123,-101 113,92, height 61
"MX 1.25-WS-3P" [mm] "长：8.9mm，宽：4.2mm，高：3.4mm"
  rect 2x3 smd: 0(-4.007,0) 0(4.007,0)
  rect 0.8x1.6 smd: 1(-1.264,2.811) 2(-0.014,2.811) 3(1.236,2.811)
  silkscreen extent -4.61,-2.23 4.62,3.25, body extent -4.45,-2.1 4.45,3.09, height 3.4
"pol cap(10uF)" [mil]
  rect 75x90 smd: 1(187.5,-70) 2(52.5,-70)
  silkscreen extent -1,-129 252,-11, body extent 51,-125 189,-15, height 75
RB.8 [mil]
  rect 70x70 / inner round 70 / far side round 70 hole 31.5: 1(0.6,0.53)
  round 70 hole 31.5: 2(138.39,0.53)
  silkscreen extent -88,-157 227,158, body extent -89,-158 228,159, height 466
SOIC-8 [mm]
  oval 1.75x0.6 smd: 1(-2.65,1.905) 2(-2.65,0.635) 3(-2.65,-0.635) 4(-2.65,-1.905) 5(2.65,-1.905) 6(2.65,-0.635) 7(2.65,0.635) 8(2.65,1.905)
  silkscreen extent -1.32,-2.5 1.3,2.49, body extent -3,-2.47 2.99,2.43, height 1.55
三脚贴片8M晶振 [mm] "CSTCC8M00G53-RO"
  rect 3.8x1.27 smd: 1(0.06,-0.006) 2(0.06,-5.086) 3(0.06,-2.546)
  silkscreen extent -2.1,-6.18 2.24,1.26, body extent -1.72,-6.23 1.84,1.26, height 1.5
二极管 [mm] "SS-14/M7"
  rect 2x1.75 smd: 1(-2.413,0) 2(2.187,0)
  silkscreen extent -2.81,-1.35 2.59,1.35, body extent -2.61,-1.34 2.49,1.32, height 2.12
拨码开关(4位直插) [mil]
  round 80 hole 36: 1(-1,1) 2(-1,-99) 3(-1,-199) 4(-1,-299) 5(299,-299) 6(299,-199) 7(299,-99) 8(299,1)
  silkscreen extent -51,-399 349,101, body extent -48,-369 342,71, height 276
接线端子 [mil]
  round 120 hole 50: 1(121.57,-105) 2(318.43,-105)
  silkscreen extent 3,-265 437,-7
电协LOGO [mil]
  Top Layer region: 116.9,14.74 122.9,24.74 124.9,22.74 124.9,20.74 119.9,12.74 117.9,12.74
  Top Layer region: 108.9,27.74 114.9,37.74 116.9,35.74 116.9,33.74 111.9,25.74 109.9,25.74
  Top Layer region: 64.9,106.74 160.9,106.74 161.9,106.74 124.9,47.74 123.9,52.74 155.9,103.74 65.9,103.74
  Top Layer region: 86.9,116.74 182.9,116.74 183.9,116.74 133.9,36.74 131.4,39.24 177.9,113.74 87.9,113.74
  Top Layer region: -26.1,141.74 23.9,141.74 24.9,140.74 25.9,139.74 26.9,138.74 -28.1,138.74
  Top Layer region: 75.9,106.74 61.9,106.74 59.9,104.74 62.9,103.74 63.9,103.74 64.9,103.74 75.9,103.74
  Top Layer region: 68.9,116.74 54.9,116.74 52.9,114.74 56.9,114.74 57.9,113.74 68.9,113.74
  Top Layer region: -52.1,126.74 -68.1,126.74 -118.6,43.24 -116.1,40.74 -66.1,123.74 -54.1,123.74
  Top Layer region: -37.1,126.74 32.9,126.74 31.9,126.74 33.9,125.74 33.9,123.74 -39.1,123.74
  Top Layer region: -79.1,103.74 -77.1,106.74 43.9,106.74 45.9,103.74
  Top Layer region: -70.1,116.74 38.9,116.74 38.9,115.74 39.9,113.74 -72.1,113.74
  Top Layer region: 32.9,89.74 29.9,66.74 16.9,76.74 18.9,78.74 27.9,71.74 29.9,86.74 -49.1,76.74 -41.6,3.24 29.9,4.74 40.9,19.74 -35.1,9.74 -43.1,75.74 18.9,78.74 17.9,77.74 16.9,76.74 -40.1,73.74 -33.1,12.74 41.9,22.74 46.9,23.74 30.9,2.74 -44.1,0.74 -52.1,78.74
  Top Layer region: -110.86,2.35 -46.94,-102.76 -43.6,-102.76 -43.98,-101.19 -110.1,6.74
  Top Layer region: -102.86,14.35 -13.1,-133.26 -0.82,-154.09 43.9,-84.26 39.9,-84.26 -0.82,-147.26 -34.1,-92.26 -102.1,18.74
  Top Layer region: -37.1,-119.26 -13.1,-158.26 -0.82,-179.09 59.9,-84.26 55.9,-84.26 -0.82,-172.26 -34.1,-117.26 -37.1,-118.26
  Top Layer region: -74.6,-116.26 -32.6,-116.26 23.4,-116.26 22.4,-119.26 -76.6,-119.26 -96.6,-84.26 -92.6,-85.26
  Top Layer region: -125.1,25.74 -125.72,29.35 -137.1,10.74 -85.56,-75.17 -83.1,-73.26 -133.1,10.74 -122.8,26.44
  Top Layer region: 125.9,-23.26 70.9,-116.26 37.9,-116.26 35.9,-119.26 72.9,-119.26 127.9,-27.26
  Top Layer region: 116.76,-10.47 62.9,-101.26 47.9,-101.26 46.9,-104.26 64.9,-104.26 119.9,-12.26
  Top Layer region: 109.9,3.74 61.9,-74.26 65.9,-75.26 111.9,0.74
  Top Layer region: 101.9,15.74 46.9,-73.76 47.9,-75.26 51.9,-73.26 103.9,12.74
  Top Layer region: -51.1,104.74 -121.6,-10.76 -119.6,-13.76 -47.1,104.74
  Top Layer region: -95.6,106.74 -160.6,106.74 -112.1,28.74 -109.1,29.74 -154.6,103.74 -99.1,103.74
  Top Layer region: -91.1,116.74 -182.1,116.74 -119.1,15.74 -117.1,17.74 -176.1,113.74 -93.1,113.74
  Top Layer region: -43.1,141.74 -77.03,141.74 -153.1,10.74 -101.56,-75.17 -99.1,-73.26 -149.1,10.74 -75.1,138.74 -43.1,138.74
  Top Layer region: 39.9,141.74 72.9,141.74 149.9,9.74 134.9,-15.26 132.9,-11.26 145.9,9.74 70.9,138.74 39.9,138.74
  Top Layer region: -66.1,-101.26 -24.1,-101.26 31.9,-101.26 30.9,-104.26 -68.1,-104.26 -79.1,-85.26 -75.1,-86.26
  Top Layer region: -40.1,-83.26 29.9,-83.26 75.9,-83.26 74.9,-86.26 -40.1,-86.26
  Top Layer region: -46.1,-73.26 23.9,-73.26 79.9,-73.26 78.9,-76.26 -46.1,-76.26
  Top Layer region: 48.9,126.74 64.9,126.74 133.9,11.74 126.9,-0.26 124.9,3.74 129.9,11.74 62.9,123.74 50.9,123.74
  Top Layer region: -44.1,116.74 -30.1,137.74 -1.1,185.74 159.9,-76.26 98.9,-76.26 100.9,-73.26 153.9,-73.26 -1.1,179.74 -40.1,116.74
  Top Layer region: -1.1,209.74 -12.1,192.74 -184.1,-86.26 -176.1,-86.26 -57.1,-86.31 -55.1,-83.26 -61.75,-72.19 -65.1,-73.26 -156.1,-73.26 -129.1,-29.26 -131.1,-25.26 -163.1,-76.26 -63.1,-76.26 -58.6,-83.26 -178.1,-83.26 -1.1,202.74 52.9,114.74 174.9,-83.26 94.9,-83.26 92.9,-86.26 180.9,-86.26 170.9,-70.26
  Top Layer region: -12.1,75.24 -37.85,42.49 -36.1,32.74 4.9,38.74 -11.1,14.74 -5.1,14.74 31.9,57.74 -16.6,46.74 -3.6,76.74
电感（220uh） [mm]
  rect 2x2.5 smd: 1(-3.81,-0.127) 2(3.734,-0.152)
  silkscreen extent -3.5,-3.5 3.48,3.5
贴片按键 [mil]
  oval 80x40 smd: 1(-5.71,2.8) 2(294.29,2.8)
  silkscreen extent 14,-76 274,82, body extent 24,-69 264,77, height 98
钮子开关（大） [mm]
  rrect50% 3x4 hole 1.3 slot 2.5 at 90 deg: 1(2.921,3.429) 2(7.493,3.429) 3(12.065,3.429)
  silkscreen extent 0.38,-0.63 14.86,7.75